# Altium PCB core.PcbDoc (part 1 of 4) (continued)
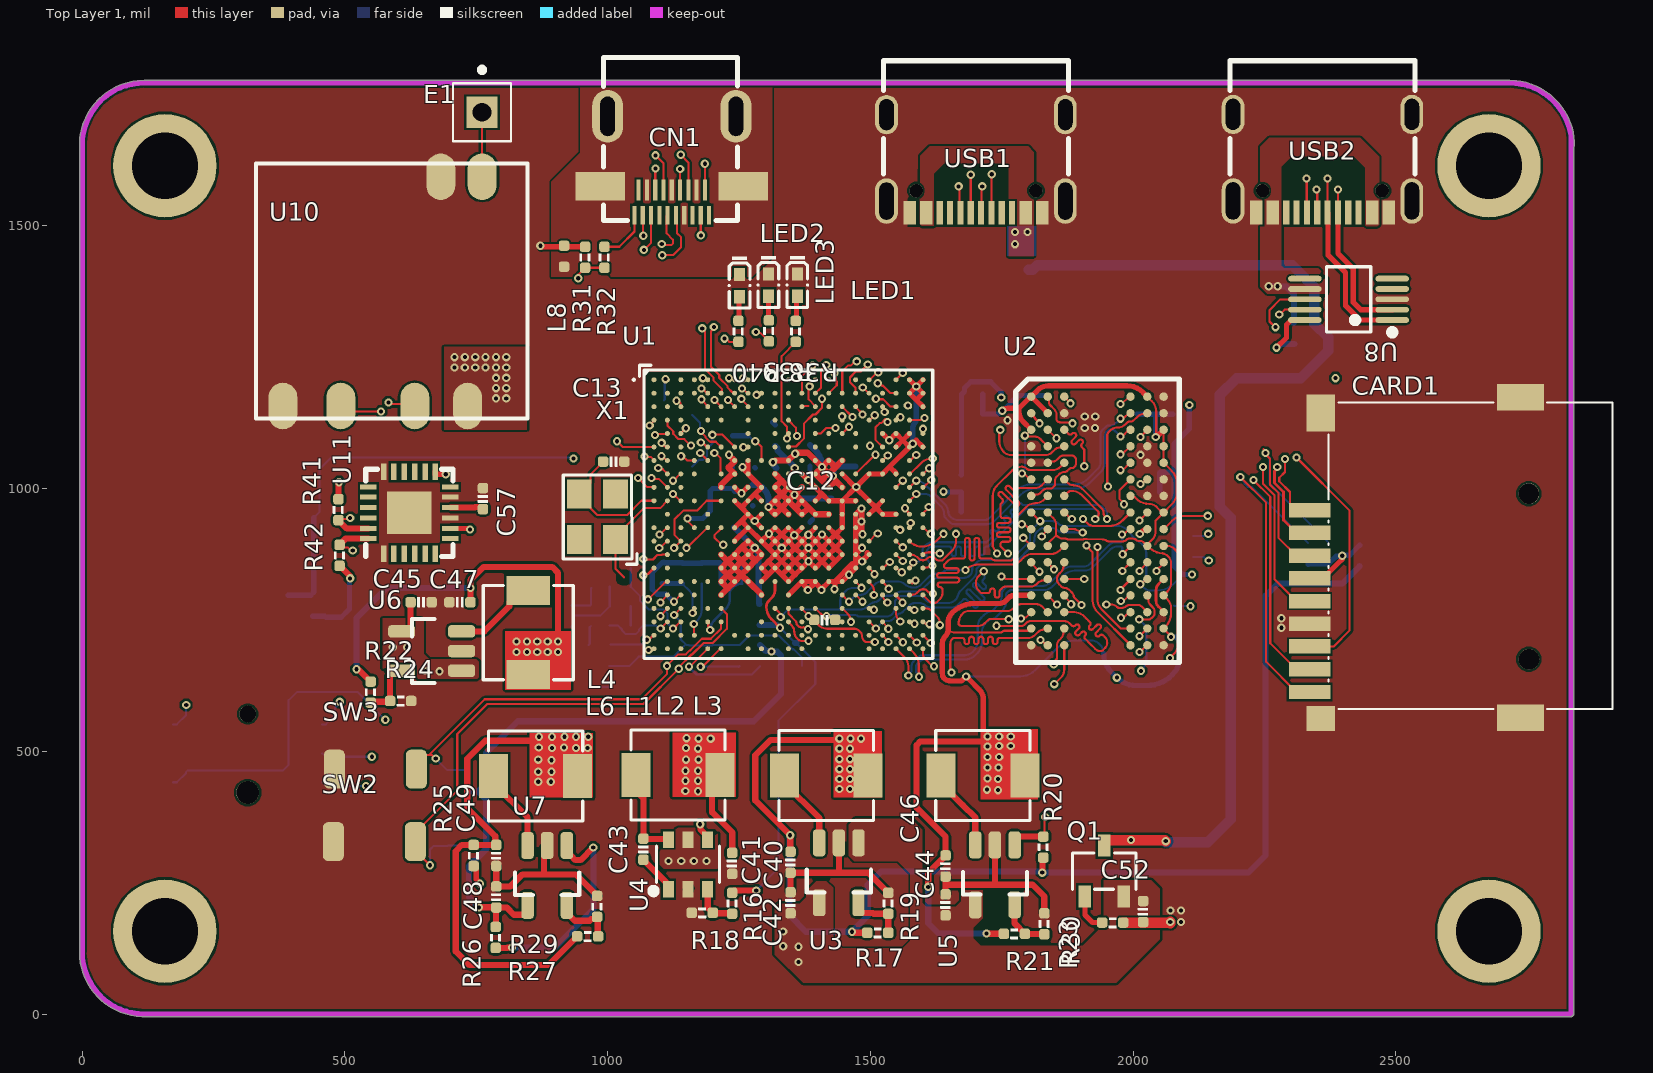
[diagram p0: Top Layer 1 view]
## Footprints (in the part's own frame and the unit in brackets; to place one, negate y for a bottom-side part, rotate by r counter-clockwise, add the part's x,y. Pads: shape width x height; smd on the part's side, far side on the other; paste and mask are expansions set on the pad) (continued)
  silkscreen extent -7.53,-6.98 6.98,7.2, body extent -7.01,-7 6.99,7
BUTTONTACT_3X4X2_180 [mil]
  rrect50% 40x74 smd: 1(-78,0) 2(78,0)
  body extent -79,-49 79,49, height 63
C0402 [mil]
  rrect50% 20x20 smd: 1(-20,0) 2(20,0)
  silkscreen extent -6,-9 6,9, body extent -20,-10 20,10, height 20
FBGA-96_L13.5-W7.5-R16-C6-P0.80-TL [mil] "FBGA96(HYNIX_SAMSUNG_512MX16_DDR3)"
  rrect100% 16x16 smd: A1(-236.22,-125.98) A2(-236.22,-94.49) A3(-236.22,-62.99) A7(-236.22,63) A8(-236.22,95) A9(-236.22,126) B1(-204.72,-125.98) B2(-204.72,-94.49) B3(-204.72,-62.99) B7(-204.72,63) B8(-204.72,95) B9(-204.72,126) C1(-173.23,-125.98) C2(-173.23,-94.49) C3(-173.23,-62.99) C7(-173.23,63) C8(-173.23,95) C9(-173.23,126) D1(-141.73,-125.98) D2(-141.73,-94.49) D3(-141.73,-62.99) D7(-141.73,63) D8(-141.73,95) D9(-141.73,126) E1(-110.24,-125.98) E2(-110.24,-94.49) E3(-110.24,-62.99) E7(-110.24,63) E8(-110.24,95) E9(-110.24,126) F1(-78.74,-125.98) F2(-78.74,-94.49) F3(-78.74,-62.99) F7(-78.74,63) F8(-78.74,95) F9(-78.74,126) G1(-47.24,-125.98) G2(-47.24,-94.49) G3(-47.24,-62.99) G7(-47.24,63) G8(-47.24,95) G9(-47.24,126) H1(-15.75,-125.98) H2(-15.75,-94.49) H3(-15.75,-62.99) H7(-15.75,63) H8(-15.75,95) H9(-15.75,126) J1(16,-125.98) J2(16,-94.49) J3(16,-62.99) J7(16,63) J8(16,95) J9(16,126) K1(48,-125.98) K2(48,-94.49) K3(48,-62.99) K7(48,63) K8(48,95) K9(48,126) L1(79,-125.98) L2(79,-94.49) L3(79,-62.99) L7(79,63) L8(79,95) L9(79,126) M1(111,-125.98) M2(111,-94.49) M3(111,-62.99) M7(111,63) M8(111,95) M9(111,126) N1(142,-125.98) N2(142,-94.49) N3(142,-62.99) N7(142,63) N8(142,95) N9(142,126) P1(174,-125.98) P2(174,-94.49) P3(174,-62.99) P7(174,63) P8(174,95) P9(174,126) R1(205,-125.98) R2(205,-94.49) R3(205,-62.99) R7(205,63) R8(205,95) R9(205,126) T1(237,-125.98) T2(237,-94.49) T3(237,-62.99) T7(237,63) T8(237,95) T9(237,126)
  silkscreen extent -270,-156 270,156, body extent -255,-150 257,145, height 30
HDMI-SMD_HYC22-HDMID19-890 [mm]
  rect 0.2x0.9 smd: 1(1.8,2.388) 3(1.4,2.388) 5(1,2.388) 7(0.6,2.388) 9(0.2,2.388) 11(-0.2,2.388) 13(-0.6,2.388) 15(-1,2.388) 17(-1.4,2.388) 19(-1.8,2.388)
  rect 0.2x1 smd: 2(1.6,1.173) 4(1.2,1.173) 6(0.8,1.173) 8(0.4,1.173) 10(0,1.173) 12(-0.4,1.173) 14(-0.8,1.173) 16(-1.2,1.173) 18(-1.6,1.173)
  oval 1.5x2.55 hole 0.7 slot 1.9 at 90 deg: 20(-3.1,-2.387) 21(3.1,-2.387)
  rect 2.4x1.38 smd: 22(-3.45,0.982) 23(3.45,0.982)
  silkscreen extent -3.18,-5.23 3.3,2.64, body extent -4.45,-4.83 4.45,2.67, height 2.92
IND-SMD_L4.4-W4.2 [mm]
  rect 1.4x2.12 smd: 1(2.028,0) 2(-2.028,0)
  silkscreen extent -2.28,-2.18 2.28,2.18, body extent -2.23,-2.03 2.22,2.03, height 1.7
KEY-SMD_2P-L6.0-W6.0-P6.50 [mm]
  rect 2x1.8 smd: 1(-3.25,0) 2(3.25,0)
  silkscreen extent -3,-3 3,3, body extent -3.3,-3 3.3,3, height 5
L0402 [mil]
  rrect50% 20x20 smd: 1(-20,0) 2(20,0)
  body extent -20,-10 20,10, height 14
LED0402-RD [mm]
  rect 0.636x0.54 smd: 1(-0.538,0) 2(0.538,0)
  silkscreen extent -1.39,-0.54 1.09,0.54, body extent -0.51,-0.25 0.5,0.25, height 0.45
MSOP-10_L3.0-W3.0-P0.50-LS5.0-BL [mm]
  oval 0.28x1.62 smd: 1(-1,-2.11) 2(-0.5,-2.11) 3(0,-2.11) 4(0.5,-2.11) 5(1,-2.11) 6(1,2.11) 7(0.5,2.11) 8(0,2.11) 9(-0.5,2.11) 10(-1,2.11)
  silkscreen extent -1.74,-2.26 1.58,1.07, body extent -1.5,-2.51 1.5,2.51, height 1.05
OSC-SMD_4P-L3.2-W2.5-BL [mm]
  rect 1.4x1.2 smd: 1(-1.1,-0.875) 2(1.1,-0.875) 3(1.1,0.875) 4(-1.1,0.875)
  silkscreen extent -2.29,-1.9 2.03,1.65, body extent -1.6,-1.27 1.6,1.23, height 0.6
PIN1 [mm] "Generic Antenna; 1 Lead"
  rect 1.5x1.5 hole 0.9: 1(0,0)
  silkscreen extent -1.4,-1.4 1.4,2.17
QFN50P400X400X95-25T265X275N [mil]
  rect 10.2x31.1 smd: 1(-49,-78) 2(-30,-78) 3(-10,-78) 4(10,-78) 5(30,-78) 6(49,-78) 13(49,78) 14(30,78) 15(10,78) 16(-10,78) 17(-30,78) 18(-49,78)
  rect 31.1x10.2 smd: 7(78,-49) 8(78,-30) 9(78,-10) 10(78,10) 11(78,30) 12(78,49) 19(-78,49) 20(-78,30) 21(-78,10) 22(-78,-10) 23(-78,-30) 24(-78,-49)
  rect 84.6x80.7 smd: 25(0,-0.03)
  silkscreen extent -83,-83 83,83, body extent -79,-79 79,79, height 35
R0402 [mil]
  rrect50% 20x20 smd: 1(-20,0) 2(20,0)
  silkscreen extent -7,-10 7,10, body extent -20,-10 20,10, height 14
SOT-23-3_L2.9-W1.6-P1.90-LS2.8-BR [mm]
  rect 1.07x0.6 smd: 1(1.235,-0.95) 2(1.235,0.95) 3(-1.235,0)
  silkscreen extent -0.88,-1.54 0.88,1.54, body extent -1.35,-1.46 1.12,1.46, height 1.03
SOT-23-5_L3.0-W1.7-P0.95-LS2.8-BL [mm] "SOT23, 3-Leads, Body 3.1x3.0mm (max), Pitch 0.95mm, IPC Medium Density"
  rrect50% 1.3x0.6 smd: 1(-1.5,0.95) 2(-1.5,0) 3(-1.5,-0.95) 4(1.396,-0.95) 5(1.396,0.95)
  silkscreen extent -0.2,-1.55 0.9,1.55, body extent -1.48,-1.45 1.32,1.45, height 1.2
SW-SMD_TSX073G50D1-250 [mm]
  rect 1.35x1 smd: 1(-3.6,1.4) 2(-3.6,0) 3(-3.6,-1.4) 4(3.6,1.4) 5(3.6,0) 6(3.6,-1.4)
  rect 2x1.8 smd: 7(0,3.9) 8(0,-3.9)
  round 1.1 hole 1.1 unplated: ""(0,-1.9)
  round 0.8 hole 0.8 unplated: ""(0,1.9)
  silkscreen extent -3.81,-3.81 3.81,3.81
TF-SMD_TF-015 [mm]
  rect 0.7x2 smd: 1(2.303,5.095) 2(1.209,5.093) 3(0.113,5.095) 4(-0.986,5.095) 5(-2.085,5.095) 6(-3.183,5.095) 7(-4.28,5.095) 8(-5.378,5.095) 9(-6.482,5.095)
  rect 1.2x1.397 smd: 10(-7.765,4.557)
  rect 1.27x2.286 smd: 11(-7.73,-5.095) 12(7.764,-5.095)
  rect 1.778x1.397 smd: 13(7.002,4.557)
  round 1 hole 1 unplated: ""(-4.897,-5.507) ""(3.103,-5.504)
  silkscreen extent -7.3,-9.55 7.5,4.19, body extent -7.97,-9.41 8.13,5.6, height 1.85
TSOT-23-6_L2.9-W1.6-P0.95-LS2.8-BR [mm]
  rect 0.8x0.532 smd: 1(1.2,-0.95) 2(1.2,0) 3(1.2,0.95) 4(-1.2,0.95) 5(-1.2,0) 6(-1.2,-0.95)
  silkscreen extent -0.88,-1.82 1.44,1.53, body extent -1.21,-1.4 1.21,1.4, height 1.09
USB-C-SMD_TYPEC-307DSW-ACP16 [mm]
  oval 1.1x2.2 hole 0.7 slot 1.8 at 90 deg: 17(-4.32,1.808) 20(4.32,1.808)
  oval 1.1x1.9 hole 0.7 slot 1.5 at 90 deg: 18(-4.32,-2.373) 19(4.32,-2.373)
  rect 0.3x1.15 smd: A1(-3.35,2.373) A4(-2.55,2.373) A5(-1.25,2.373) A6(-0.25,2.373) A7(0.25,2.373) A8(1.25,2.373) A9(2.55,2.372) A12(3.35,2.373) B1(3.05,2.373) B4(2.25,2.372) B5(1.75,2.373) B6(0.75,2.373) B7(-0.75,2.373) B8(-1.75,2.373) B9(-2.25,2.373) B12(-3.05,2.373)
  round 0.65 hole 0.65 unplated: ""(-2.89,1.307) ""(2.89,1.307)
  silkscreen extent -4.47,-4.97 4.47,0.49, body extent -4.47,-5.01 4.47,2.89, height 3.26
USB-WIFI-ANT [mm]
  oval 2.254x1.4 smd: 1(-5.512,-3.598) 2(-5.512,-1.042) 3(-5.512,2.534) 4(-5.512,5.334) 5(5.569,-2.298) 6(5.569,-4.298)
  silkscreen extent -6.11,-6.5 6.2,6.63, body extent -6.02,-6.45 6.18,6.45, height 1.9

## Part data
C1 C2 C3 C4 C5 C6 C7 C8 C9 C10 C11 C12 C13 C14 C15 C16 C17 C18 C19 C20 C21 C22 C23 C24 C25 C26 C27 C28 C29 C30 C31 C32 C33 C34 C35 C36 C37 C38 C39 C40 C41 C42 C43 C44 C45 C46 C47 C48 C49 C50 C51 C52 C53 C54 C55 C56 C57: "Capacitor"
CARD1: BOM_Manufacturer=SOFNG, BOM_Manufacturer Part=TF-015, BOM_Supplier=LCSC, BOM_Supplier Part=C113206, spicePre=C, spiceSymbolName=TF-015
CN1: BOM_JLCPCB Part Class="Extended Part", BOM_Manufacturer=HOAUC, BOM_Manufacturer Part=HYC22-HDMID19-890, BOM_Supplier=LCSC, BOM_Supplier Part=C711356, Contributor=LCSC, spicePre=C, spiceSymbolName=HYC22-HDMID19-890
E1: "Generic Antenna", LatestRevisionDate=17-Jul-2002, LatestRevisionNote="Re-released for DXP Platform.", PackageReference=PIN1, Published=24-Mar-1999, Publisher="Altium Limited"
L1 L2 L3 L4 L6: library part IND_0420, BOM_Manufacturer=TDG, BOM_Manufacturer Part=TMAX-0420-2R2-M, BOM_Supplier=LCSC, BOM_Supplier Part=C429763, Contributor=LCSC, nameAlias=Inductance, spicePre=L, spiceSymbolName=TMAX-0420-2R2-M
L5: library part IND_0402, Contributor=LCEDA_Lib, nameAlias=Value(H), spicePre=L, spiceSymbolName=L0402_US
LED1 LED2 LED3: library part LED-0402, BOM_JLCPCB Part Class="Extended Part", BOM_Manufacturer=TOGIALED, BOM_Manufacturer Part=TJ-S1005CL4T5ALC6B-A5, BOM_Supplier=LCSC, BOM_Supplier Part=C917189, Contributor=LCSC, spicePre=L, spiceSymbolName=TJ-S1005CL4T5ALC6B-A5
Q1: BOM_JLCPCB Part Class="Extended Part", BOM_Manufacturer=AOS, BOM_Manufacturer Part=AO3423, BOM_Supplier=LCSC, BOM_Supplier Part=C73257, spicePre=Q, spiceSymbolName=AO3423
R1 R2 R3 R4 R5 R6 R7 R8 R9 R10 R11 R12 R13 R14 R15 R16 R17 R18 R19 R20 R21 R22 R23 R24 R25 R26 R27 R28 R29 R30 R31 R32 R33 R34 R35 R36 R37 R38 R39 R40 R41 R42: "Resistor"
SW1: BOM_JLCPCB Part Class="Extended Part", BOM_Manufacturer="XKB Enterprise", BOM_Manufacturer Part=TS-1199A-C-B, BOM_Supplier=LCSC, BOM_Supplier Part=C318880, Contributor=LCSC, spicePre=S, spiceSymbolName=TS-1199A-C-B
SW2 SW3: BOM_JLCPCB Part Class="Extended Part", BOM_Manufacturer=Yuandi, BOM_Manufacturer Part=TS-1071AD-A1B3-D4, BOM_Supplier=LCSC, BOM_Supplier Part=C492878, Contributor=LCSC, spicePre=S, spiceSymbolName=TS-1071AD-A1B3-D4
SW4: BOM_JLCPCB Part Class="Extended Part", BOM_Manufacturer=BRIGHT, BOM_Manufacturer Part=TSX073G50D-250, BOM_Supplier=LCSC, BOM_Supplier Part=C722953, Contributor=LCSC, spicePre=S, spiceSymbolName=TSX073G50D-250
U1: library part "allwinner H3"
U2: BOM_JLCPCB Part Class="Extended Part", BOM_Manufacturer=SAMSUNG(三星半导体), BOM_Manufacturer Part=K4B4G1646E-BCNB, BOM_Supplier=LCSC, BOM_Supplier Part=C2803248, Contributor=LCSC, spicePre=U, spiceSymbolName=K4B4G1646E-BCNB
U3 U4 U5 U6 U7: BOM_JLCPCB Part Class="Extended Part", BOM_Manufacturer="Silergy Corp", BOM_Supplier=LCSC, Contributor=LCSC, spicePre=U
  U3 U5 U6 U7: BOM_Manufacturer Part=SY8089A1AAC, BOM_Supplier Part=C479074, spiceSymbolName=SY8089A1AAC
  U4: BOM_Manufacturer Part=SY8113ADC, BOM_Supplier Part=C403810, spiceSymbolName=SY8113ADC
U8: BOM_JLCPCB Part Class="Extended Part", BOM_Manufacturer=WCH, BOM_Manufacturer Part=CH340E, BOM_Supplier=LCSC, BOM_Supplier Part=C99652, spicePre=U, spiceSymbolName=CH340E
USB1 USB2: BOM_Manufacturer=XUNPU(讯普), BOM_Manufacturer Part=TYPEC-307DSW-ACP16, BOM_Supplier=LCSC, BOM_Supplier Part=C2840402, Contributor=LCSC, spicePre=U, spiceSymbolName=TYPEC-307DSW-ACP16
X1: BOM_JLCPCB Part Class="Extended Part", BOM_Manufacturer=KDS, BOM_Manufacturer Part="DSX321G 24MHz", BOM_Supplier=LCSC, BOM_Supplier Part=C93235, Contributor=LCSC, nameAlias=Frequency, spicePre=X, spiceSymbolName="DSX321G 24MHz"
L7 L8 L9 L10: Contributor=LCEDA_Lib, nameAlias=Value(H), spicePre=L, spiceSymbolName=L0402_US
U10: Contributor=Robin00, spicePre=U, spiceSymbolName=RTL8188EUS
U11: spicePre=U, spiceSymbolName=MPU6050

## Free pads (board coordinates)
  round 196.85 hole 125.98: 2(157.48,1614.17) 3(157.48,157.48) 4(2677.17,1614.17) 5(2677.17,157.48)

## Via types
v1: diameter 15.75, hole 7.87, Top Layer 1 to Bottom Layer 1, tented both sides, 428 vias
v2: diameter 15.75, hole 7.87, Top Layer 1 to Bottom Layer 1, 4 vias
v3: diameter 15.75, hole 7.87, Signal Layer 1 to Signal Layer 2, tented both sides, 1 vias

## Nets (pads, with @x,y where several pads share a name; then routed paths per layer and width w, separated by ;. In a path a pad name is that pad's centre, name@x,y a point inside that pad or via, vN(x,y) a via of type N, cw(c..) or ccw(c..) an arc to the next point about the centre after c; other vN are vias at no path point)
AGND: C34.1 C35.1 C36.1 C37.1 R11.1 U1.U3 | length 276.1
  Top Layer 1 w4: v1(1126.3,784.68) 1126.41,784.68 1139.21,797.47 U1.U3@1139.32,797.47
  Bottom Layer 1 w10: C35.1@1104,859 1085,840 1085,808.2 1094.42,798.78 1110.64,798.78 1124.74,784.68 v1(1126.3,784.68) ; C35.1@1107,860 1108.5,858.5 C36.1@1142,858.5 ; C36.1@1142,859 1143,858 C37.1@1179,858 ; C37.1@1179,858.5 1213.5,858.5 C34.1@1215,857 1215.5,856.5 1215.5,819.5 R11.1@1216,819
AP-RESET#: C55.2 R36.1 SW2.1 U1.V6 | length 1042.6
  Top Layer 1 w4: v1(662,283) 634,311 SW2.1@634,328 634,345 713.91,424.91 713.91,532.91 771,590 1068.3,590 v1(1135.35,657.05) 1135.35,659.86 1159.55,684.06 1160.58,684.06 1182.36,705.84 1199.6,705.84 1226.82,733.05 1226.82,761.16 U1.V6@1216.1,771.88
  Bottom Layer 1 w4: v1(662,283) 662,313 669,320 C55.2@696,320 696.5,320.5 735.5,320.5 R36.1@736,321
CAM_D0: U1.C9
CAM_D1: U1.E10
CAM_D2: U1.D10
CAM_D3: U1.C8 | length 20.2
  Top Layer 1 w4: v1(1254.48,1170.67) 1254.48,1169.6 1267.28,1156.81 U1.C8@1267.28,1155.74
CAM_D4: U1.C11
CAM_D5: U1.C12 | length 13.5
  Top Layer 1 w4: U1.C12@1369.64,1155.74 1370.68,1156.78 1376.42,1156.78 1376.97,1157.33 1382.43,1157.33
CAM_D6: U1.E8
CAM_D7: U1.A11
CAM_HSYNC: U1.B11
CAM_MCLK: U1.A10
CAM_PCLK: U1.B10
CAM_VSYNC: U1.C10
EPHY_LINK_LED: C1.2 U1.A2 | length 45.4
  Top Layer 1 w4: v1(1110.31,1208.1) 1110.44,1207.96 1112.69,1207.96 U1.A2@1113.73,1206.92
  Bottom Layer 1 w4: C1.2@1107,1168 1108.65,1169.65 1108.65,1206.45 v1(1110.31,1208.1)
EPHY_RXN: U1.A4
EPHY_RXP: U1.B4
EPHY_SPD_LED: C4.2 U1.F7 | length 133.4
  Top Layer 1 w4: v1(1199.24,1102.12) 1200.22,1103.1 1217.55,1103.1 U1.F7@1241.68,1078.97
  Bottom Layer 1 w4: C4.2@1161,1042 1173.74,1054.74 1181.63,1054.74 1189.19,1062.3 1189.19,1075.59 1199.13,1085.53 1199.13,1102 v1(1199.24,1102.12)
EPHY_TXN: U1.A3 | length 0
EPHY_TXP: U1.B3 | length 1.1
  Top Layer 1 w4: U1.B3@1138.18,1181.33 U1.B3@1139.32,1181.33
GND: C1.1 C2.1 C3.1 C4.1 C5.2 C6.2 C7.2 C8.2 C9.2 C10.2 C11.2 C12.1 C13.1 C14.1 C15.2 C17.2 C18.2 C19.2 C20.2 C21.2 C25.2 C26.2 C27.2 C28.2 C29.2 C30.2 C31.2 C32.2 C33.1 C38.1 C39.1 C40.1 C41.1 C42.1 C44.1 C45.1 C46.1 C47.1 C48.1 C49.1 C50.1 C52.1 C53.1 C54.1 C55.1 C56.1 C57.2 CARD1.6 CARD1.10 CARD1.11 CARD1.12 CARD1.13 L8.2 LED1.1 LED2.1 LED3.1 R3.1 R6.2 R10.2 R12.2 R13.1 R14.1 R18.1 R19.1 R23.1 R24.1 R28.2 R29.1 R30.1 R31.1 SW1.2 SW2.2 SW3.2 SW4.5 SW4.7 SW4.8 U1.A20 U1.A21 U1.AA1 U1.B20 U1.B21 U1.C21 U1.E18 U1.E19 U1.E20 U1.F19 U1.F20 U1.F21 U1.G8 U1.H8 U1.H12 U1.H15 U1.H17 U1.H18 U1.H19 U1.J9 U1.J13 U1.J16 U1.K7 U1.K8 U1.K9 U1.K13 U1.K14 U1.K15 U1.K16 U1.K17 U1.K18 U1.L8 U1.L9 U1.L15 U1.L17 U1.L18 U1.L19 U1.M5 U1.M7 U1.M8 U1.M9 U1.M10 U1.M11 U1.M12 U1.M13 U1.M14 U1.M15 U1.N7 U1.N9 U1.N10 U1.N11 U1.N12 U1.N13 U1.N14 U1.N15 U1.P10 U1.P11 U1.P12 U1.P13 U1.P14 U1.P15 U1.R9 U1.R10 U1.R11 U1.R12 U1.R13 U1.R14 U1.T9 U1.T11 U2.A9 U2.B1 U2.B3 U2.B9 U2.D1 U2.D8 U2.E1 U2.E2 U2.E8 U2.F9 U2.G1 U2.G8 U2.G9 U2.J2 U2.J8 U2.M1 U2.M9 U2.P1 U2.P9 U2.T1 U2.T9 U3.2 U4.2 U5.2 U6.2 U7.2 U8.3 U10.4 U10.5 U11.1 U11.9 U11.11 U11.18 U11.25 USB1.17 USB1.18 USB1.19 USB1.20 USB1.A1 USB1.A12 USB1.B12 USB2.17 USB2.18 USB2.19 USB2.20 USB2.A1 USB2.A12 USB2.B1 USB2.B12 | length 4552.3
  Top Layer 1 w4: v1(1078,692.87) 1079.19,694.07 1087.1,694.07 U1.AA1@1088.14,695.11 ; v1(1149.9,887.04) 1151.01,887.04 1189.39,925.42 U1.M5@1190.5,925.42 ; R18.1@1160,192.65 R18.1@1160,194.28 ; U1.L19@1548.77,951.02 U1.L19@1549.05,951.02 ; U1.H19@1548.77,1027.79 U1.H19@1548.77,1028.01 ; U1.A20@1574.36,1206.92 U1.A20@1575.84,1206.92 ; U1.B21@1599.95,1181.33 U1.B21@1600.99,1182.37 ; v1(1749.33,832.5) 1752.51,832.5 1757.35,827.65 U2.M1@1806.02,827.65 ; v1(1786.81,752.45) 1788.6,754.25 1795.61,754.25 U2.P1@1806.02,764.65 ; U2.G1@1806.02,985.9 1808.31,988.19 1814.24,988.19 ccw(c1814.24,1002.12) 1824.07,992.26 ; 1824.09,992.27 1828.17,996.35 ; v1(1826.04,908.83) 1826.04,910.01 1837.51,921.48 U2.J2@1837.51,922.65 ; 1828.18,996.36 cw(c1836.73,987.8) 1836.73,999.9 1842.05,999.9 ccw(c1842.05,1007.44) 1847.39,1002.11 1849.6,1004.32 ; U2.E2@1837.51,1048.89 1839.81,1051.19 1845.66,1051.19 ccw(c1845.66,1065.31) 1855.63,1055.31 1859.42,1059.11 cw(c1868.56,1049.97) 1868.56,1062.89 1883.46,1062.89 cw(c1883.46,1056.48) 1887.98,1061.02 ; 1849.6,1004.32 ccw(c1844.97,1008.94) 1851.51,1008.94 1851.51,1015.65 cw(c1861.29,1015.65) 1854.37,1022.56 1859.1,1027.28 cw(c1869.01,1017.39) 1859.14,1027.32 cw(c1869.01,1017.39) 1869.01,1031.39 ; 1869.06,1031.39 1869.18,1031.39 ccw(c1869.18,1039.15) 1874.67,1033.67 1876.94,1035.94 cw(c1884.33,1028.55) 1884.33,1039 ccw(c1884.33,1043.04) 1887.18,1040.18 1889.09,1042.09 ccw(c1884.48,1046.7) 1891,1046.7 1891,1055.87 ccw(c1885.86,1055.87) 1889.49,1059.51 1887.99,1061.01 ; v1(2014,1064) v1@2014,1065.69 ; U2.D8@2027,1078.69 U2.D8@2027,1080.39
  Top Layer 1 w5: U2.B1@1806.02,1143.38 1806.02,1141.57 1810.03,1137.55 cw(c1806.51,1134) 1810.3,1137.27 v1(1821.76,1124) ; U2.P9@2058,764.65 2058,765.47 2048.29,775.18 cw(c2059.85,786.74) 2043.5,786.74 2043.5,806.03 cw(c2060.71,806.03) 2048.53,818.18 U2.M9@2058,827.65
  Top Layer 1 w10: v1@874,1459 875,1460 R31.1@957,1460 ; U1.N7@1241.68,899.83 U1.M8@1267.28,925.42 ; U1.M7@1241.68,925.42 1254.48,938.22 ; U1.K7@1241.68,976.61 1254.48,963.81 ; v1(1256.55,1040.71) 1256.55,1039.15 U1.H8@1267.28,1028.43 ; U1.G8@1267.28,1053.38 U1.H8@1267.28,1028.43 ; U1.T9@1292.87,823.06 1305.4,835.6 1305.4,835.71 ; U1.M9@1292.87,925.42 v1(1280.07,938.22) ; U1.L9@1292.87,951.02 v1(1280.07,938.22) ; U1.K9@1292.87,976.61 1280.07,989.4 ; U1.M12@1369.64,925.42 v1@1356.84,912.63 ; U1.H12@1369.64,1027.79 1381.42,1016 v1(1382,1016) 1382,1015.42 U1.J13@1395.23,1002.2 1408.02,989.4 ; v1(1382,912) 1381.8,912 U1.N12@1369.64,899.83 ; U1.M13@1395.23,925.42 1382.43,912.63 U1.N13@1395.23,899.83 ; U1.K13@1395.23,976.61 1408.02,989.4 ; U1.M14@1420.82,925.42 1433.61,912.63 ; U1.H15@1446.41,1027.79 U1.J16@1472,1002.2 ; U1.K16@1472,976.61 U1.K15@1446.41,976.61 ; U1.L17@1497.59,951.02 1510.38,963.81 ; U1.K18@1523.18,976.61 1510.38,963.81 ; U1.E18@1523.18,1104.56 v1(1535.98,1091.76) U1.E19@1548.77,1104.56 1561.57,1091.76 ; U1.L19@1548.77,951.02 U1.L18@1523.18,951.02 1510.38,963.81 ; U1.H19@1548.77,1028.01 1548.77,1029.23 1536.7,1041.3 ; U1.F19@1548.77,1078.97 1561.57,1091.76 ; U1.E20@1574.36,1104.56 1561.57,1091.76 ; U1.A20@1574.36,1206.92 v1(1587.16,1194.12) ; v1@1580.54,1085.15 1587.16,1091.76 U1.F21@1599.95,1078.97 ; v1(1580.64,1085.05) 1580.44,1085.05 U1.F20@1574.36,1078.97 ; U1.C21@1599.95,1155.74 1587.16,1168.53 ; U1.A21@1599.95,1206.92 v1(1587.16,1194.12) ; v1(2012.7,913.62) 2018.01,918.93 cw(c2027,909.94) U2.J8@2027,922.65 ; U2.M9@2058,826.13 U2.M9@2058,827.65 ; 1254.48,938.22 U1.L8@1267.28,951.02 ; 1254.48,938.22 U1.M8@1267.28,925.42 ; 1254.48,963.81 U1.L8@1267.28,951.02 ; 1254.48,963.81 U1.K8@1267.28,976.61 1280.07,989.4 ; U1.M8@1267.28,925.42 U1.N9@1292.87,899.83 ; U1.L8@1267.28,951.02 v1(1280.07,938.22) ; U1.H8@1267.28,1028.43 U1.H8@1267.28,1027.79 U1.J9@1292.87,1002.2 1280.07,989.4 ; U1.N9@1292.87,899.83 1305.85,886.85 ; U1.N9@1292.87,899.83 v1@1305.66,912.63 ; 1305.4,835.71 U1.R10@1318.35,848.65 ; 1305.4,835.71 1305.4,836.12 U1.R9@1292.87,848.65 1305.61,861.39 ; 1305.61,861.39 U1.P10@1318.46,874.24 ; 1305.61,861.39 U1.R10@1318.35,848.65 ; v1@1305.66,912.63 U1.N10@1318.46,899.83 ; v1@1305.66,912.63 v1(1306.95,913.92) U1.M10@1318.46,925.42 1331.25,912.63 ; 1305.85,886.85 1305.85,887.23 U1.N10@1318.46,899.83 ; 1305.85,886.85 U1.P10@1318.46,874.24 ; U1.R10@1318.35,848.65 U1.R10@1318.46,848.65 ; U1.R10@1318.46,848.65 1331.25,861.45 ; U1.R10@1318.46,848.65 1329.06,838.06 ; U1.P10@1318.46,874.24 1331.25,861.45 ; U1.P10@1318.46,874.24 v1(1331.25,887.04) ; U1.N10@1318.46,899.83 v1(1331.25,887.04) ; U1.N10@1318.46,899.83 1331.25,912.63 ; 1329.06,838.06 U1.T11@1344.05,823.06 1356.84,835.86 ; 1329.06,838.06 1333.45,838.06 U1.R11@1344.05,848.65 ; 1331.25,861.45 U1.R11@1344.05,848.65 ; 1331.25,861.45 U1.P11@1344.05,874.24 ; v1(1331.25,887.04) U1.N11@1344.05,899.83 ; v1(1331.25,887.04) U1.P11@1344.05,874.24 ; 1331.25,912.63 U1.N11@1344.05,899.83 ; 1331.25,912.63 U1.M11@1344.05,925.42 v1@1356.84,912.63 ; U1.R11@1344.05,848.65 1356.84,861.45 ; U1.R11@1344.05,848.65 1356.84,835.86 ; U1.P11@1344.05,874.24 1356.84,887.04 ; U1.P11@1344.05,874.24 1356.84,861.45 ; U1.N11@1344.05,899.83 1356.84,887.04 ; U1.N11@1344.05,899.83 v1(1355.19,910.98) v1@1356.84,912.63 ; 1356.84,835.86 U1.R12@1369.64,848.65 ; 1356.84,861.45 U1.R12@1369.64,848.65 ; 1356.84,861.45 U1.P12@1369.64,874.24 ; 1356.84,887.04 U1.P12@1369.64,874.24 ; 1356.84,887.04 U1.N12@1369.64,899.83 ; v1@1356.84,912.63 U1.N12@1369.64,899.83 ; U1.R12@1369.64,848.65 v1(1382.43,861.45) ; U1.P12@1369.64,874.24 v1(1382.43,887.04) ; U1.P12@1369.64,874.24 v1(1382.43,861.45) ; U1.N12@1369.64,899.83 v1(1382.43,887.04) ; v1(1382.43,861.45) U1.P13@1395.23,874.24 ; v1(1382.43,861.45) U1.R13@1395.23,848.65 1408.02,861.45 ; v1(1382.43,887.04) U1.P13@1395.23,874.24 ; v1(1382.43,887.04) U1.N13@1395.23,899.83 ; U1.P13@1395.23,874.24 1408.02,887.04 ; U1.P13@1395.23,874.24 1408.02,861.45 ; U1.N13@1395.23,899.83 1408.02,887.04 ; U1.N13@1395.23,899.83 v1(1408.02,912.63) U1.N14@1420.82,899.83 ; 1408.02,861.45 U1.P14@1420.82,874.24 ; 1408.02,861.45 U1.R14@1420.82,848.65 1433.61,861.45 ; 1408.02,887.04 U1.N14@1420.82,899.83 ; 1408.02,887.04 U1.P14@1420.82,874.24 ; 1408.02,989.4 U1.K14@1420.82,976.61 U1.K15@1446.41,976.61 ; U1.P14@1420.82,874.24 1433.61,887.04 ; U1.P14@1420.82,874.24 1433.61,861.45 ; U1.N14@1420.82,899.83 1433.61,887.04 ; U1.N14@1420.82,899.83 1433.61,912.63 ; 1433.61,861.45 U1.P15@1446.41,874.24 1433.61,887.04 ; 1433.61,887.04 U1.N15@1446.41,899.83 1433.61,912.63 ; 1433.61,912.63 U1.M15@1446.41,925.42 U1.L15@1446.41,951.02 U1.K15@1446.41,976.61 ; U1.K15@1446.41,976.61 U1.J16@1472,1002.2 ; U1.J16@1472,1002.2 U1.K17@1497.59,976.61 1510.38,963.81 ; U1.J16@1472,1002.2 U1.H17@1497.59,1027.79 U1.H18@1523.18,1027.79 1536.7,1041.3 ; 1536.7,1041.3 U1.F20@1574.36,1078.97 ; 1561.57,1091.76 U1.F20@1574.36,1078.97 ; 1587.16,1168.53 U1.B20@1574.36,1181.33 v1(1587.16,1194.12) ; 1587.16,1168.53 U1.B21@1599.95,1181.33 v1(1587.16,1194.12)
  Top Layer 1 w11.81: C49.1@788,281.65 C48.1@788,242.65 815,242.65 838,265.65 874.65,265.65 ; U7.2@885,320.71 879.1,314.8 879.1,270.1 874.65,265.65 ; R29.1@980,224.65 939,265.65 874.65,265.65 ; U4.2@1153,237.41 U4.2@1155,239.41 ; C42.1@1348,231.65 C40.1@1348,268.65 1437.76,268.65 ; U3.2@1440,325.65 1440,270.89 1437.76,268.65 ; R19.1@1534,230.65 1496,268.65 1437.76,268.65 ; C44.1@1643,227.65 1643,246.07 ; C46.1@1643,261.65 1643,246.07 ; U5.2@1737,321.71 1737,247.32 1735.75,246.07 ; R23.1@1831,191.65 1831,223.65 1808.58,246.07 1735.75,246.07 ; 1643,246.07 1735.75,246.07
  Top Layer 1 w20: R30.1@1981,174 2070,174 2071,173 2071,174.83 v1(2070.69,175.14)
  Signal Layer 1 w10: v1(1078,692.87) 1100.43,715.31 1128.56,715.31 1145.83,732.57 1145.83,770.44 1150.17,774.79 1150.17,829.45 1149.9,829.72 v1(1149.9,887.04)
  Bottom Layer 1 w10: C21.2@1237,1040 C21.2@1237.35,1040.36 ; v1@1256.2,1040.36 v1(1256.55,1040.71) v1@1257.41,1039.86 ; C17.2@1275.5,966.5 C17.2@1276,967 ; v1(1280.07,938.22) v1@1280.07,939.78 ; C9.2@1280.14,1039.86 C9.2@1281,1039 ; C14.1@1314,1126 C14.1@1319,1121 ; v1@1331.25,885.48 v1(1331.25,887.04) ; v1(1382,912) v1@1382,913.56 ; v1(1382,1016) 1382,1017.56 1385,1020.56 C11.2@1385,1043 ; C18.2@1385,936 C18.2@1390,941 ; v1(1408.02,912.63) v1@1408.85,913.45 ; v1(1580.64,1085.05) v1@1580.64,1086.6 ; v1@1582,1084 1582,1085.24 v1@1580.64,1086.6 ; v1(1587.16,1194.12) 1587.16,1133.57 cw(c1571.34,1133.57) 1586.19,1128.13 cw(c1571.34,1133.57) 1582.52,1122.38 ccw(c1602.89,1113.42) 1580.64,1113.42 v1@1580.64,1086.6
  other v1: 2091,175 2071,197 2091,197 2282,735 2282,753 1473,1003 1908,1115 1927.59,1115.3 1761,1130 1908,1137 1928,1137 872,1462
GPIOE14: U1.C6 | length 18.1
  Top Layer 1 w4: v1(1203.3,1168.54) U1.C6@1216.1,1155.74
GPIOE15: U1.C5 | length 18.7
  Top Layer 1 w4: v1(1178.77,1169.59) 1178.77,1168.54 1190.5,1156.8 U1.C5@1190.5,1155.74
GPIOG11: R40.2 U1.D2 | length 332.9
  Top Layer 1 w4: U1.D2@1113.73,1130.15 1114.03,1129.85 1114.03,1119.42 1124.83,1108.63 1124.83,1103.89 1134.88,1093.83 1145.78,1093.83 1157.91,1081.71 v1(1158.5,1081.71) ; v1(1222.18,1285.13) 1225.36,1285.13 1231.48,1279 R40.2@1249,1279
  Signal Layer 1 w4: v1(1158.5,1081.71) 1158.5,1106.21 1161.75,1109.46 1161.75,1221.75 1213.67,1273.67 1213.67,1276.5 1222.18,1285.01 v1(1222.18,1285.13)
GPIOG12/USB0-OTGID: U1.D1 | length 13.5
  Top Layer 1 w4: v1(1080,1120) 1080,1121 1088.14,1129.15 U1.D1@1088.14,1130.15
GPIOL3/K1: U1.R1 | length 25.8
  Top Layer 1 w4: v1(1068,835) 1070.25,837.25 1076.74,837.25 U1.R1@1088.14,848.65
GPIOL4/RECOVERY: U1.N2 | length 21.1
  Top Layer 1 w4: v1(1098.13,886.57) 1099.3,886.57 1112.56,899.83 U1.N2@1113.73,899.83
GPIOL8/PWR-STB: R26.1 U1.T2 U4.4 U7.1 | length 1223
  Top Layer 1 w4: v1(1077,789) 1077,789.16 1108.74,820.89 1110.09,820.89 1112.26,823.06 U1.T2@1113.73,823.06
  Top Layer 1 w11.81: R26.1@787,125.65 809,125.65 810,126.65 v1(818,126.65) ; U7.1@922.4,320.71 922.4,306.93 928.31,301.02 930.63,301.02 938.77,292.88 948.56,292.88 v1(972.7,317.02) ; v1(1176,361) 1176.75,360.25 1176.75,350.83 1190.4,337.18 U4.4@1190.4,331.9
  Signal Layer 1 w11.81: v1(972.7,317.02) 1016.68,361 v1(1176,361)
  Signal Layer 2 w4: v1(1077,789) 1075,789 1040,754 1040,497 v1(1176,361)
  Bottom Layer 1 w11.81: v1(818,126.65) 900,126.65 973,199.65 973,317.32 v1(972.7,317.02)
GPIOL9/PWR-DRAM: R20.1 U1.M6 U5.1 | length 1230.5
  Top Layer 1 w4: U1.M6@1216.1,925.42 1216.1,923.95 1203,910.86 1203,906.86 1216.85,893 v1(1220,893) ; R20.1@1829,337.65 1831,339.65 1831,373 v1(1833,375)
  Top Layer 1 w11.81: U5.1@1774.4,321.71 1774.4,331.75 1780.31,337.65 R20.1@1829,337.65
  Signal Layer 2 w4: v1(1220,893) 1220,656 1258,618 1780,618 1833,565 v1(1833,375)
GPIOL10/PWR-LED: R39.2 U1.V2 | length 721.7
  Top Layer 1 w4: v1(1100.69,757.16) 1100.69,758 1113.73,771.04 U1.V2@1113.73,771.88 ; v1(1282,1298) 1284.25,1295.75 1291.25,1295.75 R39.2@1307,1280
  Signal Layer 1 w4: v1(1100.69,757.16) 1113.42,769.89 1113.42,919.42 1117,923 1117,963.89 1152.8,999.69 1152.8,1066.77 1152,1067.57 1152,1070 1136,1086 1136,1146 1148,1158 1148,1231 1215,1298 v1(1282,1298)
HCEC: U1.G5 | length 20.1
  Top Layer 1 w4: v1(1176.3,1067.61) U1.G5@1190.5,1053.38
HHPD: R31.2 R32.2 U1.M2 | length 690.2
  Top Layer 1 w4: v1(944,1400) 944,1407 R31.2@957,1420 R32.2@994,1420 ; v1(1098.72,912.63) 1099.83,912.63 1112.62,925.42 U1.M2@1113.73,925.42
  Signal Layer 1 w4: v1(944,1400) 921,1377 921,1097 1027,991 1087,991 1100.94,977.06 1100.94,914.85 v1(1098.72,912.63)
HSCL: CN1.17 U1.H3 | length 590.1
  Top Layer 1 w4: v1(1124.31,1014.99) 1125.42,1014.99 1138.21,1027.79 U1.H3@1139.32,1027.79 ; CN1.17@1177.17,1520.18 1177.17,1482.17 1177,1482 1177.28,1481.72 v1(1177.4,1481.72)
  Signal Layer 1 w4: v1(1124.31,1014.99) 1124.31,1041.5 1119.05,1046.75 1119.05,1070.09 1120,1071.03 1120,1094.92 1106.59,1108.33 1106.59,1121.62 1074.13,1154.08 1074.13,1337.44 1177.4,1440.71 v1(1177.4,1481.72)
HSDA: CN1.18 U1.K3 | length 779.1
  Top Layer 1 w4: v1(1124.31,989.4) 1125.42,989.4 1138.21,976.61 U1.K3@1139.32,976.61 ; CN1.18@1185.04,1568.01 v1@1185,1617.99
  Signal Layer 1 w4: v1(1124.31,989.4) 1126.53,989.4 1137.18,1000.05 1137.18,1045.98 1127.05,1056.11 1127.05,1066.77 1128,1067.72 1128,1098.23 1114.59,1111.64 1114.59,1124.93 1082.13,1157.39 1082.13,1334.13 1193.96,1445.96 1193.96,1607.41 1184.96,1616.41 v1@1184.96,1617.96
  other v1: 1185,1618
HTX0_N: CN1.11 U1.F1 | length 756.2
  Top Layer 1 w4: v1(1018,1090) 1029.03,1078.97 U1.F1@1088.14,1078.97 ; v1(1104,1444) 1124.42,1444 1139.97,1459.55 1139.97,1478.17 1131.86,1486.28 1131.86,1502.12 1131.86,1518.24 CN1.11@1129.92,1520.18
  Signal Layer 1 w4: v1(1018,1090) 1000.98,1090 988,1102.98 988,1114.18 988,1161.18 cw(c992.5,1161.18) 992.5,1165.68 996.64,1165.68 ccw(c996.64,1170.18) 996.64,1174.68 992.5,1174.68 cw(c992.5,1179.18) 992.5,1183.68 996.64,1183.68 ccw(c996.64,1188.18) 996.64,1192.68 992.5,1192.68 cw(c992.5,1197.18) 992.5,1201.68 996.64,1201.68 ccw(c996.64,1206.18) 996.64,1210.68 992.5,1210.68 cw(c992.5,1215.18) 992.5,1219.68 996.64,1219.68 ccw(c996.64,1224.18) 996.64,1228.68 992.5,1228.68 cw(c992.5,1233.18) 992.5,1237.68 996.64,1237.68 ccw(c996.64,1242.18) 996.64,1246.68 992.5,1246.68 cw(c992.5,1251.18) 992.5,1255.68 996.64,1255.68 ccw(c996.64,1260.18) 996.64,1264.68 992.5,1264.68 cw(c992.5,1269.18) 992.5,1273.68 996.64,1273.68 ccw(c996.64,1278.18) 996.64,1282.68 992.5,1282.68 cw(c992.5,1287.18) 992.5,1291.68 994.04,1291.68 ccw(c994.04,1296.18) 994.04,1300.68 992.5,1300.68 cw(c992.5,1305.18) 988,1305.18 988,1337 988,1339.21 1092.59,1443.79 1103.79,1443.79 v1(1104,1444)
HTX0_P: CN1.9 U1.G1 | length 762.3
  Top Layer 1 w4: v1(1070.21,1061.11) 1071.58,1059.74 1082.65,1059.74 1088.14,1054.24 U1.G1@1088.14,1053.38 ; v1(1102.87,1465.4) 1104.54,1463.73 1121.87,1463.73 1124.22,1466.07 1124.22,1473.47 1112.24,1485.45 1112.24,1518.24 CN1.9@1114.17,1520.18
  Signal Layer 1 w4: v1(1070.21,1061.11) 1057.47,1073.85 1005.82,1073.85 980,1099.67 980,1118.95 980,1120.95 ccw(c975.5,1120.95) 975.5,1125.45 974.5,1125.45 cw(c974.5,1129.95) 974.5,1134.45 975.5,1134.45 ccw(c975.5,1138.95) 975.5,1143.45 974.5,1143.45 cw(c974.5,1147.95) 974.5,1152.45 975.5,1152.45 ccw(c975.5,1156.95) 975.5,1161.45 974.5,1161.45 cw(c974.5,1165.95) 974.5,1170.45 975.5,1170.45 ccw(c975.5,1174.95) 975.5,1179.45 974.5,1179.45 cw(c974.5,1183.95) 974.5,1188.45 975.5,1188.45 ccw(c975.5,1192.95) 975.5,1197.45 974.5,1197.45 cw(c974.5,1201.95) 974.5,1206.45 975.5,1206.45 ccw(c975.5,1210.95) 975.5,1215.45 974.5,1215.45 cw(c974.5,1219.95) 974.5,1224.45 975.5,1224.45 ccw(c975.5,1228.95) 975.5,1233.45 974.5,1233.45 cw(c974.5,1237.95) 974.5,1242.45 975.5,1242.45 ccw(c975.5,1246.95) 975.5,1251.45 974.5,1251.45 cw(c974.5,1255.95) 974.5,1260.45 975.5,1260.45 ccw(c975.5,1264.95) 975.5,1269.45 974.5,1269.45 cw(c974.5,1273.95) 974.5,1278.45 975.5,1278.45 ccw(c975.5,1282.95) 975.5,1287.45 974.5,1287.45 cw(c974.5,1291.95) 974.5,1296.45 975.5,1296.45 ccw(c975.5,1300.95) 975.5,1305.45 974.5,1305.45 cw(c974.5,1309.95) 974.5,1314.45 975.5,1314.45 ccw(c975.5,1318.95) 980,1318.95 980,1340.13 980,1342.52 1089.27,1451.79 1093.52,1456.04 v1(1102.87,1465.4)
HTX1_N: CN1.8 U1.G2 | length 768.5
  Top Layer 1 w4: v1(1091,1634) 1106.3,1618.7 CN1.8@1106.3,1568.01 ; v1(1102.54,1061.63) 1104.01,1061.63 1112.26,1053.38 U1.G2@1113.73,1053.38
  Signal Layer 1 w4: v1(1091,1634) 1091,1633.31 1098.81,1625.5 1105.43,1625.5 1125.13,1605.81 1125.13,1422.38 1021,1318.25 1021,1301.18 1021,1118.75 1048.34,1091.41 1069.43,1091.41 1092.32,1068.52 1093.29,1068.52 1100.18,1061.63 v1(1102.54,1061.63)
HTX1_P: CN1.6 U1.H2 | length 765.3
  Top Layer 1 w4: CN1.6@1090.55,1568.01 1090.55,1608.55 v1(1091,1609) ; v1(1096.3,1038.92) 1098.55,1036.68 1104.84,1036.68 U1.H2@1113.73,1027.79
  Signal Layer 1 w4: v1(1091,1609) 1091,1609.69 1098.81,1617.5 1102.12,1617.5 1117.13,1602.49 1117.13,1425.69 1013,1321.57 1013,1301.18 1013,1141.58 cw(c1008.5,1141.58) 1008.5,1137.08 1007.5,1137.08 ccw(c1007.5,1132.58) 1007.5,1128.08 1008.5,1128.08 cw(c1008.5,1123.58) 1013,1123.58 1013,1121.57 1013,1115.43 1045.03,1083.41 1066.12,1083.41 1083.08,1066.44 1083.08,1054.88 1096.3,1041.66 v1(1096.3,1038.92)